# Allegro board LAY-29615_B4.brd (continued)
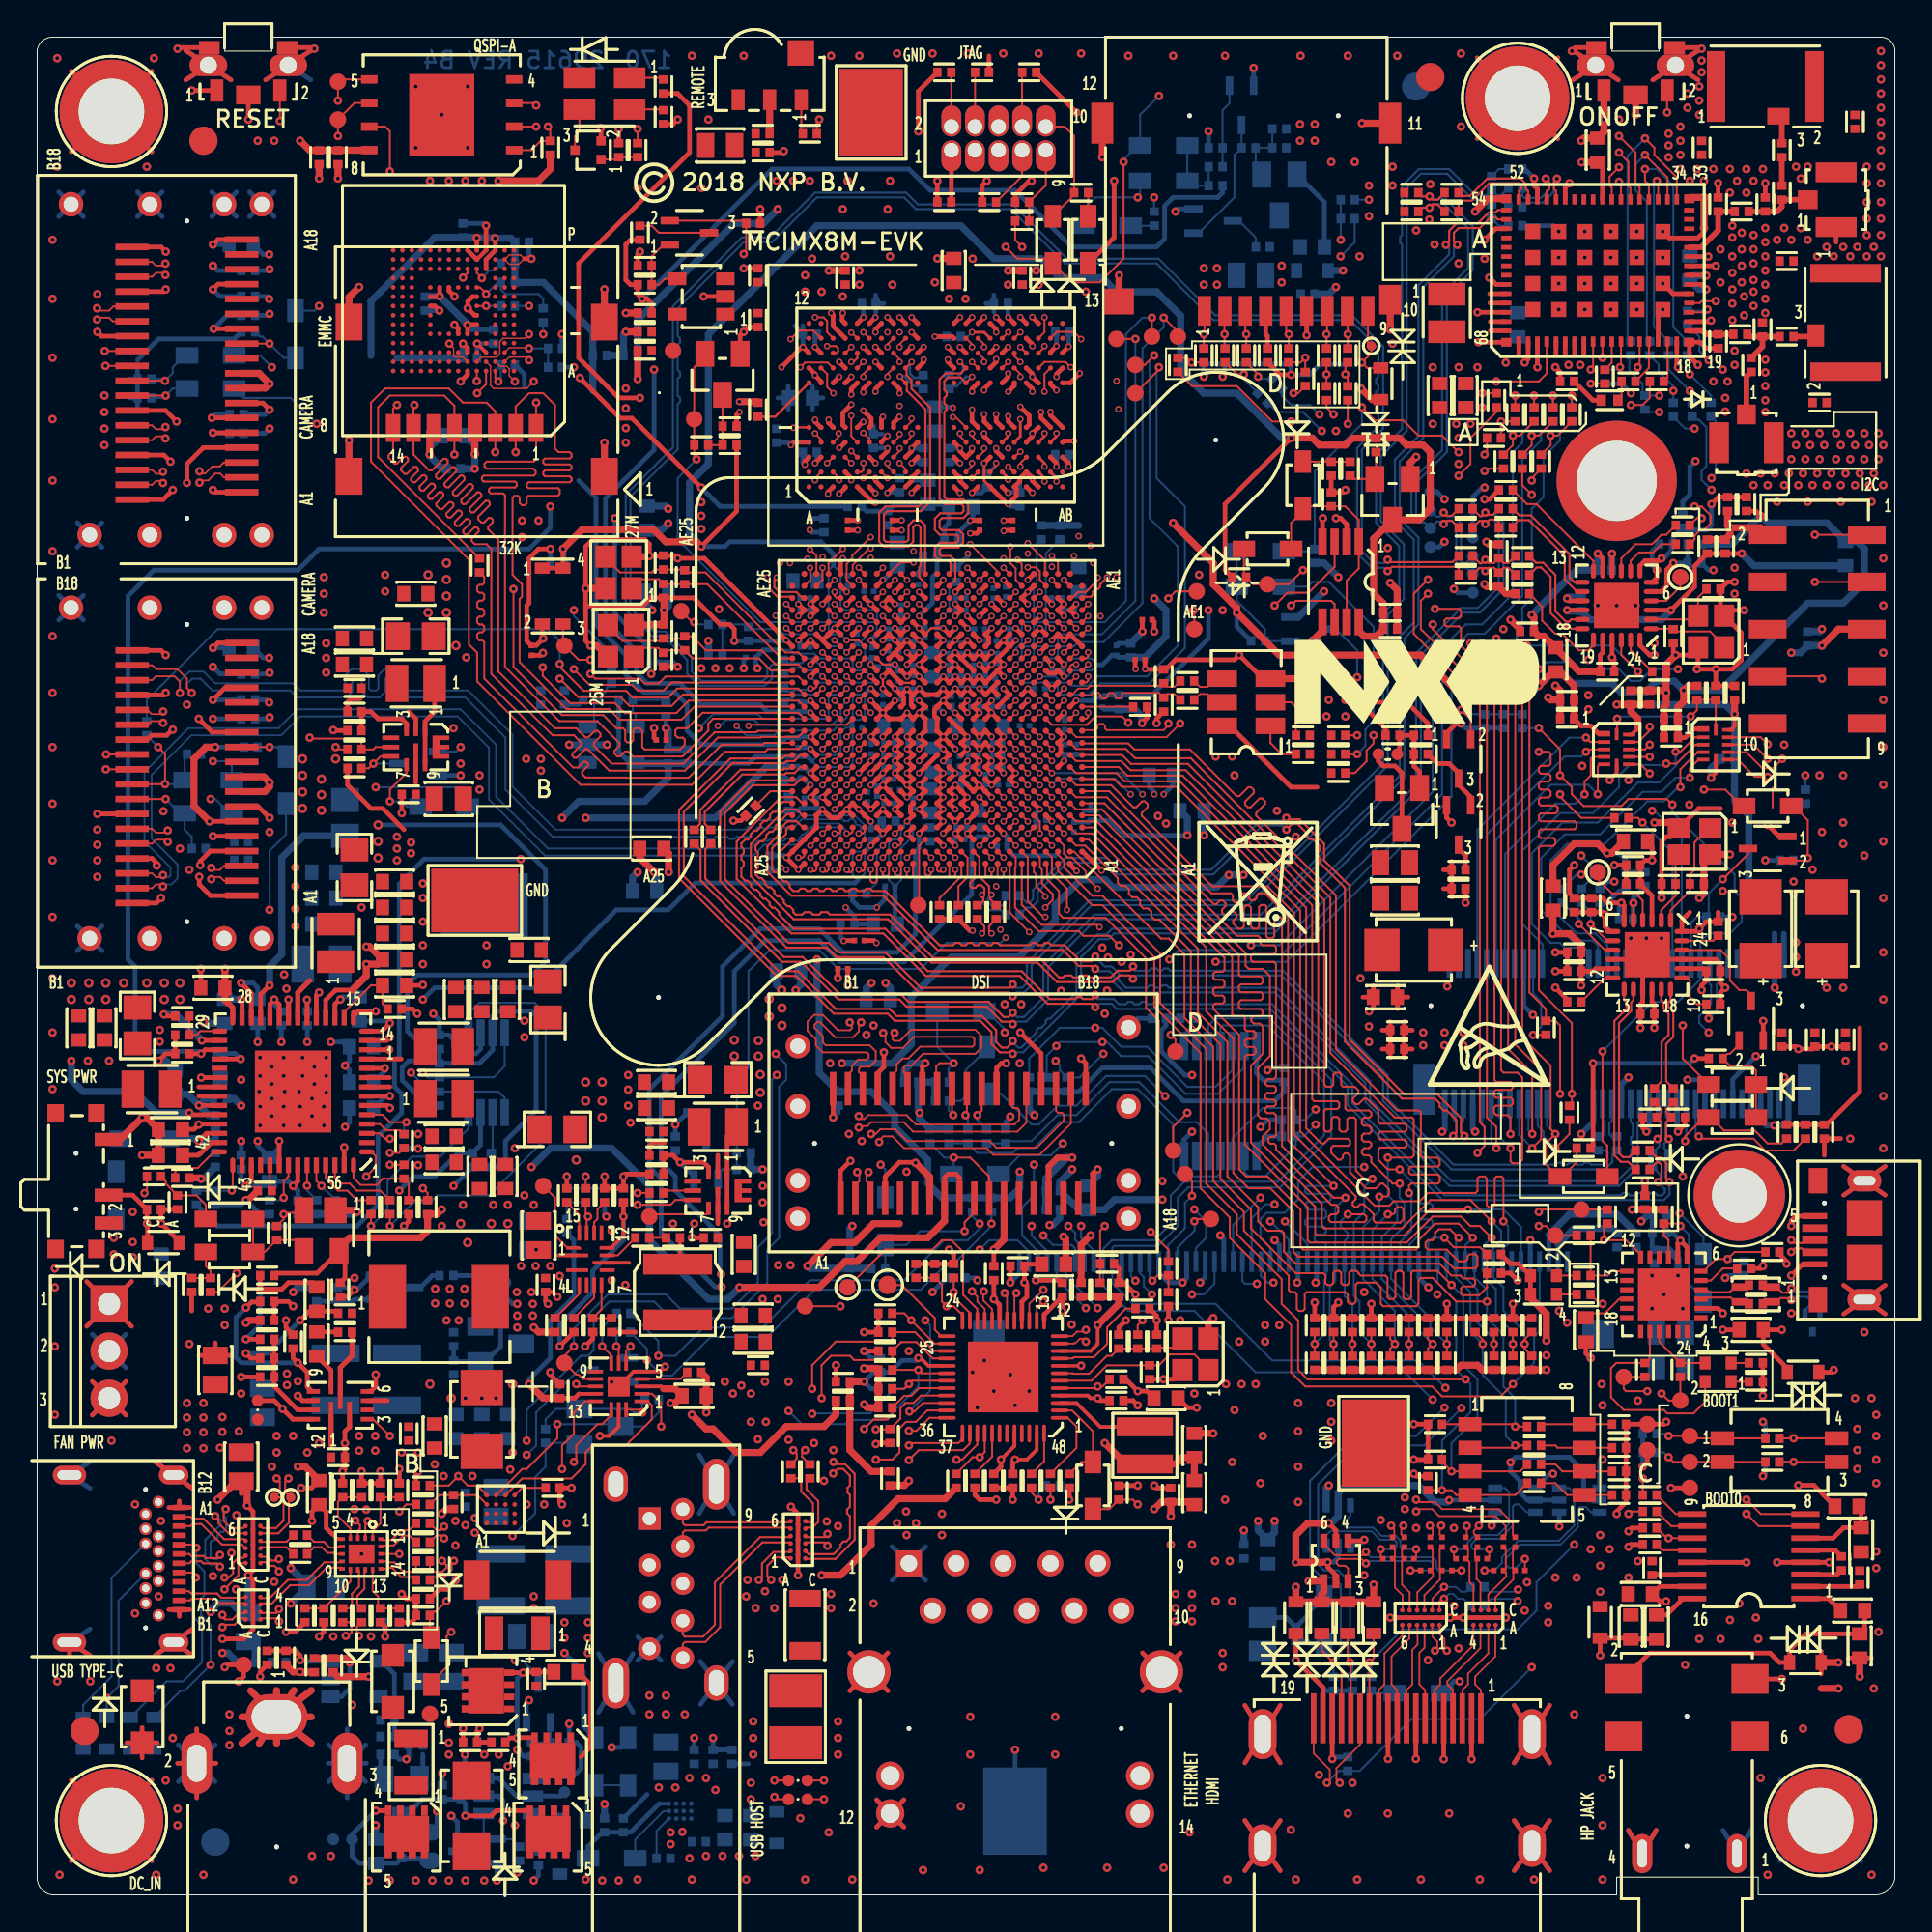
[diagram p0: board, top side]
## Routing (per net, layer and track width the routed paths; a pad name or vN(x,y) marks a point on that pad's centre or on a via; arc(x,y) is an arc through that point) (continued)
  BOTTOM w0.102: C101.2 44.69,66.6 44.56,66.73 44.56,67.07 44.39,67.25 44.25,67.25 C130.2 44.25,67.47 44.36,67.47 44.56,67.68 44.56,67.87 v2(44.88,68.18)
  BOTTOM w0.254: 16.69,5.23 J902.3 ; J902.3 15.7,6.09 ; J902.3 17.68,6.09 ; J902.3 16.69,8.94 ; J902.3 17.72,7.08 ; J902.3 15.66,7.08 ; J902.3 17.68,8.07 ; J902.3 15.7,8.07 ; Q1002.1 71.11,18.79 v1(71.44,19.11) ; Q1604.1 v1(65.48,98.35) ; v2(41.22,83.32) 41.22,83.32 C212.2 ; v1(80.58,92.39) 80.07,92.9 C1328.2 ; v1(62.17,41.08) 61.74,40.66 U1501.7 ; v1(9.46,87.69) 9.71,87.44 C1511.2 ; C601.2 20.9,85.28 v1(21.65,85.28) ; J1001.G4 66.92,4 ; J1001.G4 65.01,1.31 ; J1001.G4 66.92,1.31 ; J1001.G4 65.01,4 ; 35.7,10.25 J903.S4 ; J903.S4 37.43,10.25 ; J903.S4 37.43,12.56 ; J903.S4 35.7,12.56 ; J1502.T6 10.73,90.34 ; J1502.T6 9.4,91.67 ; J1502.T6 9.4,90.34 ; J1502.T6 10.73,91.67 ; J903.S2 32.07,12.98 ; J903.S2 30.22,9.83 ; J903.S2 32.07,9.83 ; J903.S2 30.22,12.98 ; C1513.2 v1(9.46,64.32) ; C910.2 v1(35.37,8.44) ; v1(75.75,75.12) 75.35,75.53 R1325.2 ; J1001.G1 81.42,7.1 ; J1001.G1 81.42,10.2 ; J1001.G1 79.51,10.2 ; J1001.G1 79.51,7.1 ; v1(26.48,10.48) 26.34,10.34 Q907.1 ; 5.4,90.34 J1502.T7 ; J1502.T7 5.4,91.67 ; J1502.T7 6.73,91.67 ; J1502.T7 6.73,90.34 ; R505.2 43.88,53.52 44.26,53.15 v2(45.2,53.15) 45.64,53.59 C19.2 C20.2 ; J1401.18 80.03,47.86 v1(80.52,47.37) ; 1.16,91.67 J1502.T8 ; J1502.T8 2.49,90.34 ; J1502.T8 2.49,91.67 ; J1502.T8 1.16,90.34 ; J903.S3 37.49,20.53 ; J903.S3 35.64,23.68 ; J903.S3 35.64,20.53 ; J903.S3 37.49,23.68 ; BH1402.1 6.17,93.83 ; BH1402.1 1.83,98.17 ; BH1402.1 1.83,93.83 ; BH1402.1 6.17,98.17 ; 32.33,12.63 J903.4 ; J903.4 33.58,12.63 ; J903.4 33.58,13.88 ; J903.4 32.33,13.88 ; C911.2 v1(38.42,5.14) ; 2.85,14.31 J901.SH4 2.85,12.89 ; v1(38.04,66.03) 38.04,66.5 C3.2 ; v1(61.28,90.61) 61.42,90.76 Q1603.1 ; v1(85.28,53.4) 85.16,53.28 R1455.1 ; 1.83,6.17 BH1401.1 ; BH1401.1 1.83,1.83 ; BH1401.1 6.17,1.83 ; BH1401.1 6.17,6.17 ; C203.2 52.4,74.75 v2(52.27,74.87) ; SW1701.6 89.41,97.7 ; SW1701.6 86.97,97.7 ; SW1701.6 89.41,99.28 ; v1(30.64,36.51) 30.54,36.61 R746.2 ; v2(54.62,69.48) 54.61,69.5 C140.2 ; v2(43.42,51.35) 43.25,51.52 C12.2 ; BH1403.1 81.86,98.88 ; BH1403.1 81.86,94.54 ; BH1403.1 77.52,94.54 ; BH1403.1 77.52,98.88 ; 79.51,4 J1001.G3 ; J1001.G3 79.51,1.31 ; J1001.G3 81.42,1.31 ; J1001.G3 81.42,4 ; R1324.2 75.47,72.55 v1(75.75,72.84) ; v1(10.98,40.58) C750.1 ; J1801.17 74.38,33.22 v1(74.89,32.7) ; v1(18.99,46.93) 18.87,47.04 C737.1 ; 4.78,25.83 J802.3 2.97,25.83 ; 39.87,80.58 C201.2 ; C201.2 40.43,81.2 ; C201.2 40.43,79.96 ; v2(52.27,84.92) 52.25,84.94 C204.2 ; v1(78.29,19.87) 78.48,20.06 Q1004.1 ; C607.2 26.47,88.45 26.47,88.21 v1(26.61,88.07) ; C762.1 v1(13.14,45.91) ; v1(24.75,0.77) 24.75,1.69 Q903.1 ; 45.19,5.12 J1201.12 ; J1201.12 46.65,5.12 ; J1201.12 46.65,3.65 ; J1201.12 45.19,3.65 ; R916.2 v1(21.81,6.54) ; C170.2 59.87,59.64 60.13,59.37 v2(60.13,59.24) ; J1801.30 67.88,33 v1(67.83,32.96) ; v2(51.37,56.48) 51.41,56.45 C199.2 ; Q702.1 17.98,33.35 17.21,32.57 v1(17.08,32.57) 16.96,32.7 C727.2 ; C209.2 55.52,77.5 v2(55.52,76.89) ; 82.67,99.28 SW1701.7 ; SW1701.7 82.67,97.7 ; SW1701.7 85.11,97.7 ; v1(52.39,32.96) 52.88,33.45 J1801.60 ; 40.8,84.47 C212.2 ; C212.2 41.22,84.47 ; SW1702.7 10.44,97.7 ; SW1702.7 8,99.28 ; SW1702.7 8,97.7 ; C197.2 C195.2 55.31,61.07 v2(55.27,61.03) ; SW1702.6 14.74,97.7 ; SW1702.6 14.74,99.28 ; SW1702.6 12.3,97.7 ; v1(11.87,40.58) 11.87,40.32 12.49,39.7 C736.1 13.03,40.22 v1(13.03,40.58) ; 6.35,23.31 J901.SH1 8.35,21.89 ; C217.2 41.71,73.35 v2(41.59,73.47) ; C610.2 v1(28.25,84.01) ; J1801.5 v1(80.38,35.24) ; D1602.A 70.52,82.39 69.43,82.39 D1603.A 69.08,82.42 68.49,81.83 v1(67.5,81.83) 67.5,82.29 D1604.A D1605.A D1606.A ; R938.1 38.28,7.05 ; v1(20.51,40.18) 20.48,40.2 R722.2 ; 7.6,6.09 J902.2 ; J902.2 8.59,5.23 ; J902.2 9.58,8.07 ; J902.2 9.62,7.08 ; J902.2 8.59,8.94 ; J902.2 7.6,8.07 ; J902.2 9.58,6.09 ; J902.2 7.56,7.08 ; v1(44.51,29.27) 44.9,28.89 C1202.2 ; C1802.2 86.94,34.85 C1704.2 C1701.2 ; J1503.T4 3.49,50.83 ; J1503.T4 2.16,50.83 ; J1503.T4 2.16,52.15 ; J1503.T4 3.49,52.15 ; J1801.32 66.88,34.98 v1(66.61,35.24) ; J1502.T4 3.49,73.87 ; J1502.T4 2.16,73.87 ; J1502.T4 2.16,72.54 ; J1502.T4 3.49,72.54 ; C10.2 58.21,67.37 C185.2 ; J901.SH2 8.35,14.31 ; J901.SH2 8.35,12.89 ; J901.SH2 6.35,12.89 ; v1(18.73,13.91) 18.74,13.91 C925.2 ; v1(21.32,47.43) 21.65,47.1 C1529.2 22.16,46.28 22.41,46.03 22.41,45.66 22.8,45.27 23.61,45.27 23.87,45.53 U1502.2 ; v1(15.81,45.91) 16.43,45.91 16.81,45.53 ; v1(85.79,80.83) 85.27,81.35 R1356.1 ; C101.2 44.88,66.53 v2(44.88,66.23) 45.01,66.1 C146.1 ; C758.2 v1(14.54,45.91) ; C606.2 24.04,89.97 v1(24.17,89.85) ; C192.2 41.55,61.76 v2(41.63,61.68) ; v2(54.62,57.78) 54.56,57.85 C196.2 ; R845.1 R846.2 86.43,23.06 v1(86.42,23.05) ; v1(62.8,81.72) D1607.A D1606.A ; C186.2 54.62,65.97 v2(54.62,66.23) ; C210.2 41.22,77.1 v2(41.33,76.99) ; v1(34.48,66.11) 34.23,66.36 C152.2 ; v1(9.46,86.42) 9.84,86.04 C1510.2 ; C743.1 16.81,41.58 v1(16.57,41.34) ; v1(59.12,32.32) 58.38,33.06 J1801.49 ; R502.2 40.22,55.94 v2(40.33,55.83) ; R1345.1 89.97,71.31 v1(90.23,71.31) ; C202.2 45.75,77.89 v2(45.77,77.87) ; C1530.2 23.43,39.18 v1(22.41,38.16) ; v1(92.52,45.15) 91.28,43.9 J1401.63 ; J1801.45 60.38,33.47 60.9,32.96 v1(61.66,32.96) 61.88,33.17 J1801.42 ; 16.81,45.53 C765.1 ; 16.81,45.53 16.81,44.88 v1(16.57,44.64) 16.81,44.4 C748.1 ; v2(55.92,68.83) 55.83,68.93 C161.2 55.83,69.39 v2(55.92,69.48) ; TP1406.1 v1(52.64,7.81) ; 90.75,3.48 J1101.1 92.25,3.48 ; v1(37.53,67.5) 37.53,67.51 C401.2 40.3,67.51 v2(40.33,67.53) ; v1(84.26,23.43) 84.1,23.27 Q1003.4 ; R759.2 v1(33.84,62.8) ; v1(68.82,32.96) 68.88,33.01 J1801.28 ; C179.2 50.82,57.46 C4.2 ; C179.2 50.02,57.73 v2(50.07,57.78) ; C179.2 50.02,57.19 v2(50.07,57.13) 50.07,56.97 C180.2 ; C7.2 40.96,58.36 41.08,58.48 41.29,58.48 C182.2 C183.2 42.22,58.49 v2(42.28,58.43) ; J1801.7 79.38,33.4 v1(79.69,33.08) ; D1606.A 63.94,81.85 v1(63.82,81.72) ; J1501.T8 59.24,47.18 C1527.2 ; v2(49.29,80.05) 49.26,80.09 C206.2 ; 11.43,91.67 J1502.T5 ; J1502.T5 12.76,91.67 ; J1502.T5 11.43,90.34 ; J1502.T5 12.76,90.34 ; v1(66.23,44.39) 66.35,44.51 C1528.2 ; v2(55.27,63.63) 55.31,63.6 C198.2 ; C1517.2 v1(9.46,88.84) ; C184.2 57.45,63.82 C9.2 ; C216.2 47.69,71.44 47.43,71.18 C153.2 ; 46.02,16.94 J1201.1 ; J1201.1 47.83,18.75 ; J1201.1 46.02,18.75 ; J1201.1 47.83,16.94 ; v1(63.69,35.5) 63.88,35.31 J1801.38 ; C1520.2 v1(9.46,67.12) ; C214.2 47.68,77.87 v2(47.07,77.87) ; v1(12.51,78.93) 12.25,78.68 C1509.2 ; Q1003.1 v1(81.93,19.83) ; C147.2 41.07,67.44 v2(40.98,67.53) ; C735.2 11.99,36.65 v1(11.24,37.4) 10.99,37.15 C764.2 ; 1.16,69.95 J1503.T8 ; J1503.T8 2.49,69.95 ; J1503.T8 1.16,68.63 ; J1503.T8 2.49,68.63 ; v2(55.52,83.34) 55.52,84.1 C207.2 ; v1(50.61,33.08) 50.48,33.21 C1204.2 ; 87.15,3.48 J1101.4 85.65,3.48 ; 2.85,21.89 J901.SH3 2.85,23.31 ; R1002.2 69.82,7.42 v1(69.71,7.32) ; v1(22.8,60.26) 21.58,60.26 Q703.1 ; v2(49.67,77.87) 49.09,77.87 C215.2 ; v1(10.96,44.99) 10.66,45.29 C740.1 ; v1(12.51,79.95) 12.25,79.69 C1515.2 ; v1(81.6,22.67) 81.42,22.67 Q1004.4 ; v1(61.91,57.04) 58.53,57.04 57.73,57.84 C8.2 56.62,57.75 C1.2 ; R208.1 v2(48.32,83.88) ; 93.83,6.17 BH1404.1 ; BH1404.1 98.17,1.83 ; BH1404.1 93.83,1.83 ; BH1404.1 98.17,6.17 ; C934.2 29.02,6.54 29.27,6.79 29.27,7.96 29.02,8.21 R936.2 v1(28.64,9.21) ; v1(26.73,0.77) 26.99,1.03 C933.2 ; v2(47.07,76.27) 47.19,76.15 R210.2 ; v1(81.91,89.54) 81.6,89.85 C1329.2 ; v2(41.63,59.73) 41.24,60.12 C181.2 40.98,60.01 C6.2 ; C2.2 v2(54.62,64.93) ; C605.2 23.68,83.5 v1(23.68,83.5) 23.69,83.51 C603.2 ; v2(44.88,57.78) 44.89,57.77 C187.2 ; C611.2 v1(28.89,82.23) ; v1(30.92,27.61) Q905.1 ; v1(9.5,84.3) 10.22,85.03 C1516.2 ; C205.2 44.47,85.58 v2(44.47,84.92) ; C751.2 v1(11.87,45.91) ; v1(25.08,4) 25.08,5.07 24.83,5.32 U910.2 ; J1801.40 62.88,33.24 v1(62.6,32.96) ; v1(88.84,43.88) 89.52,43.88 89.78,43.62 J1401.57 ; v1(27.62,72.45) 27.63,72.45 C406.2 ; C1316.2 86.93,72.32 86.93,71.57 v1(87.19,71.31) ; v2(41.63,64.28) 41.57,64.22 C191.2 ; C1523.2 43.12,42.11 v1(42.85,41.85) ; R205.1 50.1,72.07 v2(50.1,72.2) ; C1706.2 91,33.34 v1(90.87,33.21) ; C1514.2 9.84,65.72 v1(9.46,66.1) ; v1(76.64,63.05) 76.65,63.05 76.9,62.81 C1439.2 R1458.2 ; v1(70.55,4.38) 70.54,4.39 ; C1611.2 v1(63.06,94.93) ; C1519.2 v1(9.46,63.31)
  BOTTOM w0.305: v1(85.66,44) 85.28,43.62 J1401.39 ; v1(88.33,41.08) 88.28,41.14 J1401.51 ; J1401.69 92.78,41.72 93.08,41.42 v1(93.51,41.42) 93.97,41.42 94.28,41.72 J1401.75 94.28,43.77 v1(94.04,44) ; J1401.7 77.28,41.21 v1(77.41,41.08) ; v1(83.12,40.96) 83.78,41.61 J1401.33 ; v1(86.63,41.08) 86.78,41.23 J1401.45 ; v1(75.63,41.08) 75.78,41.23 J1401.1
  BOTTOM w0.381: C1701.2 86.73,36.64 v1(86.35,36.26) ; C1802.2 87.83,34.73 88.33,34.23 v1(88.33,33.34) ; v1(82.36,69.79) 82.43,69.86 C1320.2 ; C168.2 41.1,48.97 v1(40.83,48.7) ; C780.2 R763.2 v1(39.05,39.05) ; C166.2 44.63,48.8 v1(44.91,49.08) ; C169.2 61.91,57.96 v1(61.91,57.04) ; v1(9.33,15.23) 9.33,15.3 9.74,15.71 10.45,15.71 10.97,15.19 C903.2 v1(11.37,17.21) ; C1801.2 88.73,31.41 v1(88.58,31.56) ; v1(8.83,38.54) 8.95,38.54 C756.1 ; R417.2 R410.2 56.06,73.72 ; C604.2 C602.2 31.57,84.02 v1(31.69,84.14) ; C718.2 C717.2 33.97,62.67 v1(33.84,62.8) ; v1(6.54,44.89) 6.94,44.89 C729.1 ; v1(69.28,70.17) 67.9,68.78 Q1301.1 ; C10.2 58.86,67.37 v1(59.5,68.01) ; C766.2 C728.2 C730.2 17.09,36.65 v1(17.21,36.77) ; C618.2 21.13,77.92 v1(21.13,77.53) 21.13,77.45 21.81,76.77 C617.2 ; C9.2 59.09,63.82 59.47,63.44 v1(59.47,63.08) ; v1(43.88,36) 43.75,35.88 C1521.2 ; v1(70.29,87.44) TVS1602.1 ; Q1002.4 69.39,21.89 v1(69.53,22.03) ; v1(28.64,61.91) U703.2 v1(30.67,61.91) ; v1(84.78,72.19) 84.77,72.18 C1319.2 ; C926.2 10.78,12.51 10.27,13.02 v1(9.97,13.02) ; v1(57.09,39.05) 57.09,38.69 C1525.2 ; v1(47.81,44.77) 47.06,44.77 46.68,44.39 C1522.2 ; v1(55.71,39.69) 55.43,39.69 54.3,38.55 C1524.2 C1526.2 ; v1(8.95,46.98) 9.02,46.91 C755.1 ; v1(13.65,15.68) 14.52,16.55 C923.2 14.52,16.72 v1(13.65,17.59) ; C173.2 33.99,69.39 v1(33.74,69.15) ; C171.2 33.35,54.91 v1(33.21,55.05) ; C1610.2 69.53,86.17 v1(69.91,86.55) ; v1(33.97,74.61) 33.83,74.75 C174.2 ; C746.1 10.6,42.86 v1(10.98,42.48) ; C804.2 95.94,68 v1(96.07,68.13) ; v1(66.61,20.13) 66.61,19.51 C1001.2 66.22,19.13 65.72,19.62 v1(65.72,20.13) ; v1(90.11,60.13) 90.11,60.64 C1438.2 ; C1002.2 v1(64.96,19.62)
  vias: v1(0.82,89.09) v1(0.82,85.91) v1(0.82,82.74) v1(0.82,79.44) v1(0.82,76.14) v1(0.82,72.33) v1(0.82,67.75) v1(0.82,64.71) v1(0.82,61.78) v1(0.82,58.74) v1(0.82,55.69) v1(0.82,52.64) v1(0.82,49.34) v1(0.82,46.42) v1(0.82,43.37) v1(0.95,33.72) v1(0.95,32.7) v1(0.95,29.53) v1(0.95,25.84) v1(1.08,98.87) v1(1.08,93.03) v1(1.08,11.49) v1(1.21,1.08) v1(2.86,11.49) v1(3.24,86.17) v1(4,24.45) v1(5.27,21.02) v1(5.27,15.15) v1(5.9,93.03) v1(6.29,98.87) v1(6.41,12.2) v1(6.41,1.08) v1(6.79,58.33) v1(6.92,6.16) v1(7.17,12.2) v1(7.3,8.44) v1(7.56,4.63) v1(7.56,3.75) v1(7.68,56.32) v1(8.06,64.07) v1(8.19,29.65) v1(8.95,1.08) v1(9.21,31.56) v1(9.46,17.16) v1(10.1,31.56) v1(10.1,30.67) v1(10.35,9.71) v1(10.35,8.83) v1(10.35,8.06) v1(10.45,18.4) v1(10.73,20.43) v1(10.71,16.45) v1(10.98,43.88) v1(10.98,26.99) v1(12,45.07) v1(12,44.08) v1(11.95,43.24) v1(12,42.43) v1(12,41.41) v1(12.51,57.21) v1(12.64,44.56) v1(12.64,43.65) v1(12.64,42.86) v1(12.64,41.92) v1(12.64,23.05) v1(12.76,16.85) v1(13.27,45.07) v1(13.27,44.08) v1(13.32,43.24) v1(13.27,42.43) v1(13.27,41.41) v1(13.45,28.05) v1(13.45,27.44) v1(13.78,0.82) v1(13.91,55.31) v1(13.91,54.29) v1(13.91,53.07) v1(13.91,52.13) v1(14.03,27.65) v1(14.11,43.24) v1(14.16,42.43) v1(14.16,41.41) v1(14.29,45.07) v1(14.29,44.08) v1(14.79,42.86) v1(14.79,41.92) v1(14.79,2.09) v1(14.92,44.56) v1(14.92,43.65) v1(15.43,70.93) v1(15.43,70.04) v1(15.43,69.02) v1(15.43,42.43) v1(15.43,41.41) v1(15.56,67.37) v1(15.56,66.59) v1(15.56,65.8) v1(15.56,45.07) v1(15.56,44.08) v1(15.56,43.19) v1(15.81,2.09) v1(15.94,13.91) v1(17.08,20.76) v1(17.33,24.7) v1(17.33,23.91) v1(17.46,18.35) v1(17.72,20.74) v1(17.84,0.77) v1(17.97,13.91) v1(18.2,24.7) v1(18.2,23.91) v1(18.73,71.06) v1(18.73,70.17) v1(18.99,0.77) v1(19.62,23.81) v1(20.38,97.34) v1(20.38,94.04) v1(20.38,0.77) v1(20.51,40.96) v1(20.51,39.28) v1(20.51,23.81) v1(20.76,54.44) v1(20.76,53.66) v1(20.76,52.39) v1(20.76,51.12) v1(20.76,50.1) v1(21.27,0.77) v1(21.4,23.18) v1(21.78,95.82) v1(22.16,0.77) v1(22.41,62.8) v1(22.52,18.81) v1(22.8,60.9) v1(22.92,37.15) v1(23.05,0.77) v1(23.18,97.34) v1(23.18,94.04) v1(23.43,22.54) v1(23.81,60.26) v1(23.81,59.5) v1(24.07,0.77) v1(24.19,51.12) v1(24.19,50.1) v1(24.55,37.15) v1(25.34,37.15) v1(25.46,22.9) v1(25.59,23.81) v1(26.22,37.65) v1(26.35,21.02) v1(26.61,32.45) v1(26.73,37.15) v1(27.29,21.02) v1(28.13,33.31) v1(29.53,0.82) v1(29.65,14.67) v1(29.65,13.83) v1(29.65,13.02) v1(30.42,0.77) v1(30.92,35.75) v1(30.92,33.08) v1(31.3,0.77) v1(31.66,32.83) v1(31.81,44.13) v1(31.81,43.34) v1(31.81,42.48) v1(31.94,41.57) v1(32.32,91.88) v1(32.32,0.82) v1(32.96,10.73) v1(32.96,9.71) v1(33.84,10.73) v1(33.84,9.71) v1(34.1,3.36) v1(34.1,2.73) v1(34.73,3.39) v1(34.86,9.71) v1(35.11,1.97) v1(35.24,99) v1(35.24,0.82) v1(35.75,91.88) v1(36.13,95.57) v1(38.04,99) v1(38.24,16.95) v1(38.16,16.06) v1(38.16,0.82) v1(38.42,6.03) v1(38.54,9.33) v1(38.54,8.44) v1(38.54,7.56) v1(38.67,15.43) v1(39.05,38.16) v1(39.05,37.27) v1(39.05,32.07) v1(39.18,27.62) v1(39.18,16.34) v1(39.69,15.43) v1(39.89,33.9) v1(39.86,32.07) v1(40.12,16.95) v1(40.45,27.62) v1(40.45,24.5) v1(40.55,33.9) v1(41.08,4.13) v1(41.34,0.82) v1(41.82,24.32) v1(42.35,22.29) v1(42.51,20.1) v1(42.61,3.36) v1(42.73,99) v1(42.73,16.19) v1(42.73,15.43) v1(42.86,23.94) v1(43.12,19.85) v1(43.12,9.33) v1(43.12,8.44) v1(43.12,7.56) v1(43.37,90.74) v1(43.5,88.2) v1(43.62,92.26) v1(43.7,40.96) v1(43.88,0.82) v1(44.26,99) v1(44.26,87.44) v1(44.39,40.58) v1(44.64,46.29) v1(45.02,46.8) v1(45.02,15.68) v1(45.78,90.74) v1(45.91,92.26) v1(45.91,88.2) v1(46.29,99.12) v1(47.69,1.33) v1(48.2,99.12) v1(49.72,4.76) v1(50.1,99.12) v1(50.23,9.59) v1(50.23,7.56) v1(50.35,88.07) v1(50.35,28.13) v1(50.61,26.22) v1(50.74,1.33) v1(50.99,28.76) v1(51.5,27.11) v1(52.01,99.12) v1(52.08,47.94) v1(52.39,28) v1(52.64,26.35) v1(52.97,47.94) v1(53.4,27.11) v1(53.78,87.44) v1(53.91,99.12) v1(54.16,1.46) v1(54.8,9.59) v1(54.8,7.56) v1(55.69,30.7) v1(56.2,99.12) v1(57.34,50.99) v1(57.47,47.43) v1(57.64,50.46) v1(57.59,48.68) v1(57.59,1.46) v1(58.38,50.23) v1(58.74,99) v1(58.86,50.61) v1(60.64,1.46) v1(61.15,99) v1(62.04,3.36) v1(62.55,71.06) v1(62.8,87.57) v1(62.8,86.68) v1(63.51,87.57) v1(63.51,86.68) v1(63.82,69.15) v1(63.94,99) v1(63.94,21.27) v1(64.07,0.82) v1(64.32,23.3) v1(64.45,26.1) v1(65.85,22.16) v1(65.98,24.7) v1(66.74,58.36) v1(67.49,3.51) v1(67.75,56.96) v1(67.75,0.82) v1(67.88,26.48) v1(67.88,24.95) v1(67.88,23.05) v1(67.88,21.14) v1(68.01,99) v1(69,6.46) v1(69.66,93.28) v1(69.66,26.48) v1(69.66,25.46) v1(69.66,24.45) v1(69.91,78.8) v1(70.55,99) v1(70.8,6.03) v1(70.93,93.28) v1(71.06,0.82) v1(71.23,49.34) v1(71.44,17.21) v1(71.69,92.01) v1(71.69,47.56) v1(71.69,46.75) v1(71.69,45.91) v1(72.33,20.18) v1(72.71,72.5) v1(72.71,4.38) v1(72.96,93.03) v1(72.96,92.01) v1(73.21,99) v1(73.62,21.4) v1(73.62,20.76) v1(74.23,89.6) v1(74.23,19.75) v1(74.48,0.82) v1(74.94,90.18) v1(74.87,12.64) v1(74.99,92.09) v1(75.12,79.18) v1(75.22,88.84) v1(76.01,4.38) v1(76.26,19.75) v1(76.26,15.56) v1(76.39,79.18) v1(76.52,87.82) v1(76.52,78.42) v1(76.52,77.02) v1(76.52,13.27) v1(76.64,99.12) v1(76.64,95.19) v1(77.15,79.18) v1(77.66,0.82) v1(77.79,80.07) v1(77.79,67.37) v1(77.91,88.07) v1(80.07,15.3) v1(80.2,16.83) v1(80.58,0.82) v1(81.72,17.08) v1(81.91,88.14) v1(81.91,86.74) v1(81.91,85.34) v1(82.74,9.71) v1(82.87,17.08) v1(83.31,89.54) v1(83.31,88.14) v1(83.31,86.74) v1(83.31,85.34) v1(83.5,64.58) v1(84.01,69.4) v1(84.14,16.32) v1(84.21,27.49) v1(84.26,26.35) v1(84.26,6.29) v1(84.26,3.75) v1(84.26,0.82) v1(84.71,89.54) v1(84.71,88.14) v1(84.71,86.74) v1(84.71,85.34) v1(85.03,69.4) v1(85.15,95.57) v1(85.66,17.08) v1(85.79,51.5) v1(86.04,69.4) v1(86.11,89.54) v1(86.11,88.14) v1(86.11,86.74) v1(86.11,85.34) v1(86.17,17.96) v1(86.63,51.5) v1(86.93,33.34) v1(86.93,31.56) v1(87.44,51.5) v1(87.51,88.14) v1(87.57,32.32) v1(87.82,94.8) v1(87.82,94.17) v1(87.82,93.53) v1(88.45,95.19) v1(88.45,94.42) v1(88.45,93.66) v1(88.45,92.9) v1(88.58,38.67) v1(88.71,12.38) v1(88.84,96.96) v1(88.84,96.2) v1(88.94,58.69) v1(88.96,92.26) v1(89.34,92.9) v1(89.47,97.34) v1(89.47,96.58) v1(89.47,95.82) v1(89.47,13.78) v1(89.6,98.74) v1(89.6,98.11) v1(89.72,92.26) v1(90.23,92.9) v1(90.23,81.47) v1(90.61,88.58) v1(90.61,86.8) v1(90.61,13.78) v1(90.74,82.1) v1(90.74,54.04) v1(90.87,80.58) v1(90.87,79.84) v1(90.99,81.47) v1(91.12,92.9) v1(91.12,91.63) v1(91.12,14.79) v1(91.25,89.85) v1(91.25,89.22) v1(91.25,88.2) v1(91.25,87.31) v1(91.25,86.42) v1(91.25,85.66) v1(91.25,84.77) v1(91.25,57.72) v1(91.38,83.12) v1(91.38,82.36) v1(91.5,92.26) v1(91.62,15.68) v1(91.76,89.47) v1(91.76,88.58) v1(91.76,87.69) v1(91.76,86.8) v1(91.88,86.04) v1(91.88,85.03) v1(92.01,92.9) v1(92.01,91.63) v1(92.01,76.52) v1(92.39,92.26) v1(92.39,89.34) v1(92.39,88.58) v1(92.39,87.82) v1(92.39,86.93) v1(92.39,86.3) v1(92.39,85.53) v1(92.39,75.88) v1(92.52,14.92) v1(92.65,13.78) v1(92.77,76.52) v1(92.77,6.29) v1(92.9,92.9) v1(93.03,89.72) v1(93.03,88.96) v1(93.03,88.2) v1(93.03,87.44) v1(93.03,86.68) v1(93.03,85.91) v1(93.03,85.15) v1(93.03,82.64) v1(93.03,81.95) v1(93.03,81.22) v1(93.03,80.45) v1(93.03,79.82) v1(93.15,75.88) v1(93.15,1.08) v1(93.53,76.52) v1(93.66,89.09) v1(93.66,74.99) v1(94.04,89.72) v1(94.04,75.88) v1(94.04,61.91) v1(94.3,76.52) v1(94.42,89.09) v1(94.42,78.68) v1(94.42,77.28) v1(94.42,31.3) v1(94.55,54.55) v1(94.55,53.91) v1(94.68,93.03) v1(94.68,78.04) v1(94.8,75.88) v1(94.93,92.39) v1(94.93,89.72) v1(95.06,76.52) v1(95.06,8.95) v1(95.19,78.68) v1(95.19,77.28) v1(95.31,93.03) v1(95.31,89.09) v1(95.31,74.99) v1(95.44,78.04) v1(95.57,75.88) v1(95.57,55.18) v1(95.82,88.2) v1(95.82,76.52) v1(95.95,78.68) v1(95.95,77.28) v1(95.95,60.26) v1(96.07,57.21) v1(96.2,78.04) v1(96.33,88.71) v1(96.33,75.88) v1(96.58,76.52) v1(96.71,88.2) v1(96.84,78.68) v1(96.84,77.28) v1(97.09,78.04) v1(97.09,75.88) v1(97.09,74.99) v1(97.22,88.71) v1(97.22,60.26) v1(97.22,57.72) v1(97.22,56.58) v1(97.34,76.52) v1(97.34,44.89) v1(97.6,88.2) v1(97.6,78.68) v1(97.6,77.28) v1(97.6,40.7) v1(97.85,78.04) v1(97.85,75.88) v1(97.85,26.73) v1(97.98,88.71) v1(97.98,25.08) v1(97.98,23.94) v1(97.98,22.92) v1(98.11,76.52) v1(98.36,78.68) v1(98.36,77.28) v1(98.36,55.94) v1(98.36,30.29) v1(98.49,93.03) v1(98.49,92.14) v1(98.49,91.12) v1(98.49,90.23) v1(98.49,89.34) v1(98.49,88.2) v1(98.61,78.04) v1(98.61,75.88) v1(98.74,74.99) v1(98.74,26.73) v1(98.74,1.08) v1(98.87,88.71) v1(98.87,76.52) v1(98.87,11.11) v1(99,25.84) v1(99,24.7) v1(99,23.43) v1(99,22.16) v1(99,18.48) v1(99,17.59) v1(99.12,78.68) v1(99.12,77.28) v1(99.12,14.16) v1(99.25,99.25) v1(99.25,98.49) v1(99.25,97.73) v1(99.25,96.96) v1(99.25,96.2) v1(99.25,95.44) v1(99.25,94.68) v1(99.25,93.92) v1(99.25,93.03) v1(99.25,92.14) v1(99.25,91.12) v1(99.25,90.23) v1(99.25,89.34) v1(99.25,88.2) v1(99.38,78.04) v1(99.38,75.88) v1(99.38,71.94) v1(99.38,69.4) v1(99.38,66.86) v1(99.38,64.32) v1(99.38,61.78) v1(99.38,59.75) v1(99.38,56.7) v1(99.38,53.66) v1(99.38,50.74) v1(99.38,48.2) v1(99.38,45.66) v1(99.38,42.99) v1(99.38,40.19) v2(39.76,68.86) v2(39.99,71.69) v2(40.53,71.69) v2(41.46,71.92) v2(42.28,72.02) v2(44.87,71.97) v2(45.77,84.12) v2(46.42,84.12) v2(46.42,80.15) v2(47.18,72.33) v2(51.62,54.29) v2(51.85,51.96) v2(52.02,71.94) v2(52.03,63.63) v2(52.27,77.87) v2(53.33,72.2) v2(54.62,71.49) v2(55.82,72.07) v2(56.07,73.14) v2(56.7,72.63) v2(56.86,71.69) v2(57.24,68.83) v2(58.1,81.5) v2(58.1,70.93) v2(58.2,79.97) v3(1.84,49.08) v3(1.84,48.2) v3(2.78,49.08) v3(2.78,48.2) v3(3.7,49.08) v3(3.7,48.2)
